# Altium PCB Notecarrier AF.PcbDoc (part 1 of 3) (continued)
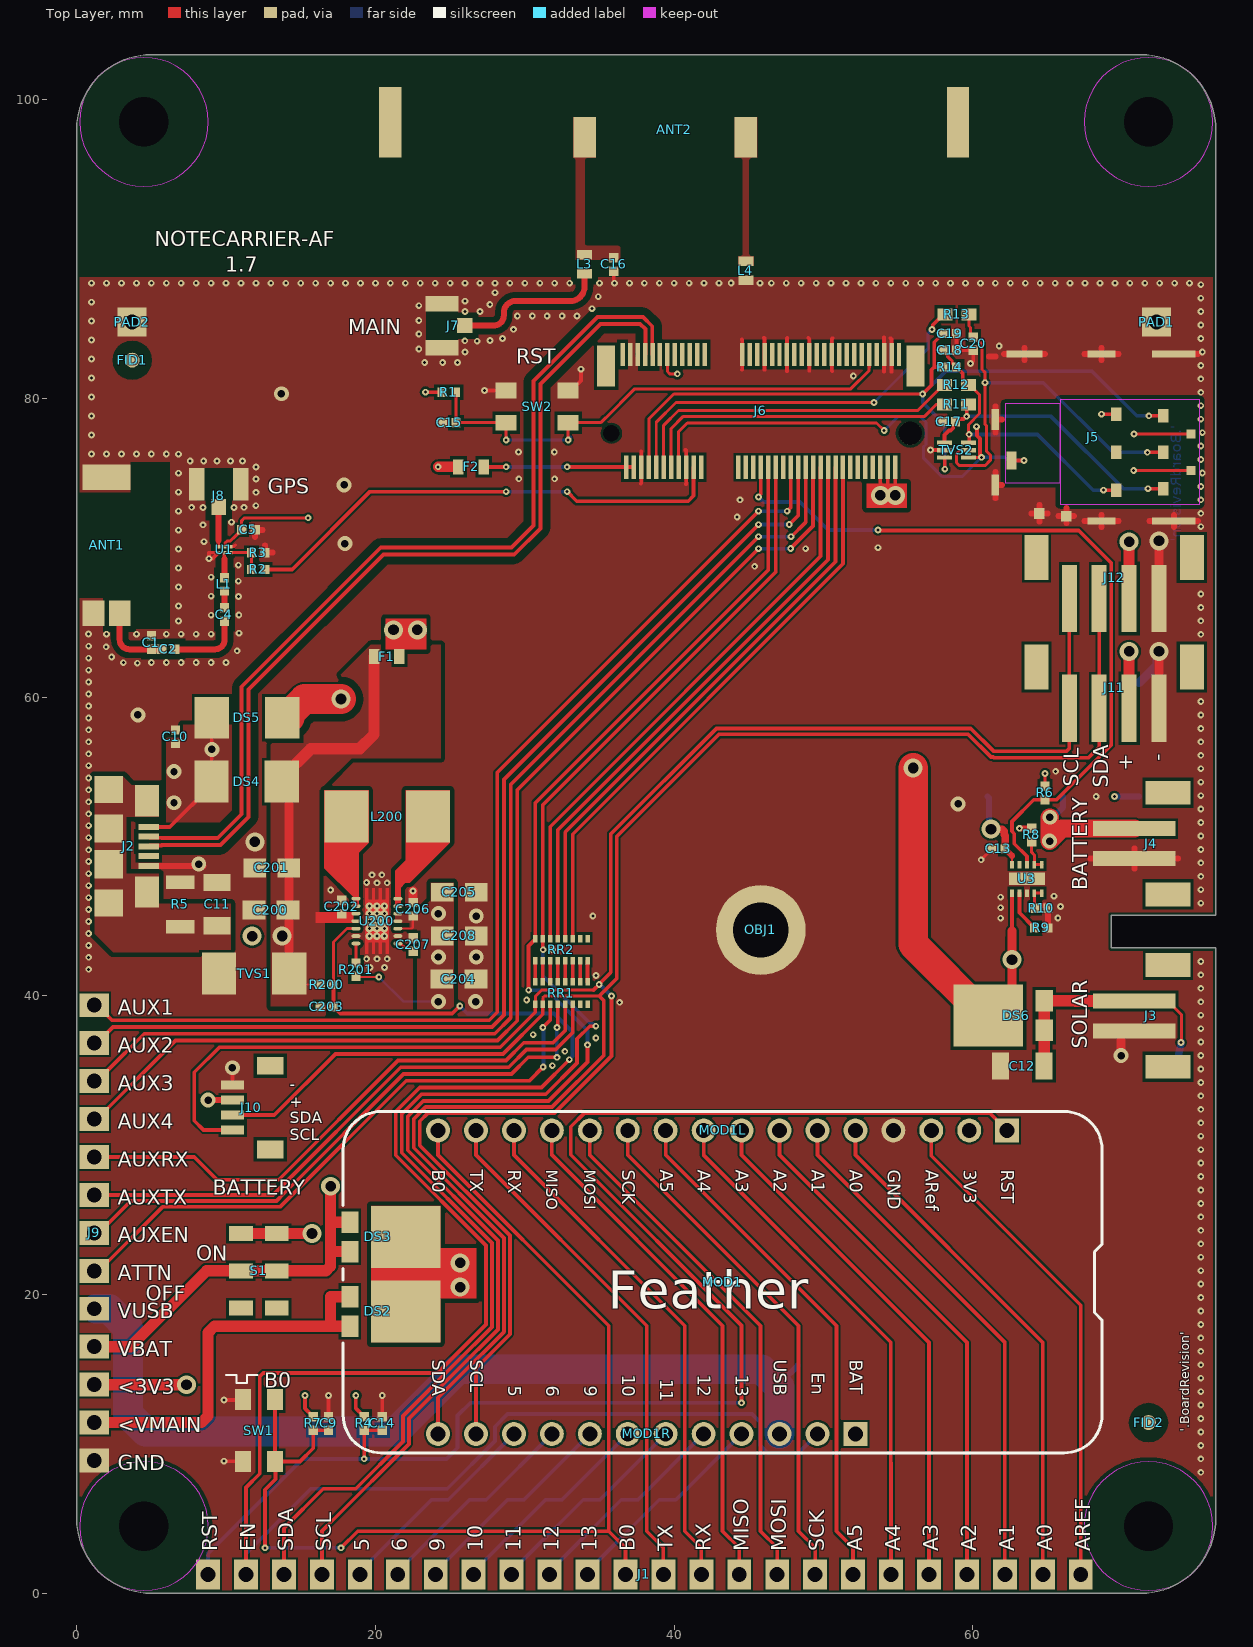
[diagram p0: Top Layer view]
## Components (designator, comment, footprint, x,y, rotation, side; value= is the part's Value field where it differs from the comment)
ANT1 "W3010" ANT-W3010 2,70.15 r270 top
ANT2 "W3796" ANT-W3796 40,99.3 r0 top
C1 "3.3p/50V-C0G" CS-C-0402 5.003,63.646 r90 top
C2 "1.5pF/50V-C0G 0402" CAPC1005X55X25NL05T10 6.13,63.196 r180 top
C4 "1n/50V" CS-C-0402 9.895,65.523 r270 top
C5 "1u/16V-X5R" CS-C-0402 11.5,71.195 r0 top
C9 "0.1uF" CS-C-0402 16.862,11.372 r90 top
C10 "0.1uF" CS-C-0402 6.612,57.346 r90 top
C11 "10n/1kV" CS-C-1206 9.398,46.144 r90 top
C12 "10u/25V-X5R" CS-C-1206 63.3,35.3 r180 top
C13 "1u/16V-X5R" CS-C-0402 61.706,49.834 r180 top
C14 "0.1uF" CS-C-0402 20.456,11.372 r90 top
C15 "0.1uF" CS-C-0402 24.95,78.363 r180 top
C16 "0.5p/50V-C0G" CS-C-0402 35.95,88.96 r270 top
C17 "33p/50V-C0G" CS-C-0402 58.388,78.434 r180 top
C18 "33p/50V-C0G" CS-C-0402 58.442,83.207 r0 top
C19 "0.1uF" CS-C-0402 58.442,84.327 r0 top
C20 "33p/50V-C0G" CS-C-0402 60.024,83.657 r270 top
C200 "10uF" 0805_C 14.151,45.734 r180 top
C201 "10uF" 0805_C 14.201,48.564 r180 top
C202 "0.1uF" CS-C-0402 17.75,45.95 r90 top
C203 "0.1uF" CS-C-0402 16.75,39.25 r180 top
C204 "22uF" 0805_C 24.441,41.109 r0 top
C205 "22uF" 0805_C 24.469,46.932 r0 top
C206 "0.1uF" CS-C-0402 22.527,45.792 r90 top
C207 "0.1uF" CS-C-0402 22.527,43.43 r90 top
C208 "22uF" 0805_C 24.47,44.006 r0 top
DS2 "FSV1045V" TO277-3 21.038,18.869 r270 top
DS3 "FSV1045V" TO277-3 21.038,23.859 r270 top
DS4 "STPS3H100U" SMB 11.374,54.336 r180 top
DS5 "STPS3H100U" SMB 11.401,58.616 r180 top
DS6 "FSV1045V" TO277-3 62.025,38.675 r90 top
F1 "3.5A/32V" FS-0603 20.759,62.702 r0 top
F2 "SF-0603F150-2" FS-0603 26.4,75.406 r0 top
FID1 "TPS" FIDUCIAL 3.715,82.55 r0 top
FID2 "TPS" FIDUCIAL 71.75,11.43 r0 top
J1 "12X1" "WE24S - 2.54" 38.005,1.27 r180 top
J2 "10118192-0002LF" J-5-0065-FOS-MICROUSB10118192 3.113,50 r270 top
J3 "B2B-PH-SM4-TBT(LF)(SN)" J-2-0200-MDS-B2B-PH-SM4 71.8,38.653 r270 top
J4 "B2B-PH-SM4-TBT(LF)(SN)" J-2-0200-MDS-B2B-PH-SM4 71.8,50.189 r270 top
J5 "NanoSIM - SF72S006VBAR2500" J-NANOSIM-SF72S006VBA 68.7,77.364 r90 top
J6 "MDT420E01001" J-75-0050-MOS-M2-E 45.798,79.156 r0 top
J7 "uFL-R-SMT-1-10" J-3-MDS-UFL 24.707,84.858 r90 top
J8 "uFL-R-SMT-1-10" J-3-MDS-UFL 9.51,73.997 r0 top
J9 "CON_13X1" "WE13S - 2.54" 1.175,24.13 r90 top
J10 "BM04B-SRSS-TB(LF)(SN)" JST_BM04B-SRSS-TB 11.762,32.516 r270 top
J11 "114020163" J-4-0200-MDS-GROVE 69.45,60.254 r180 top
J12 "114020163" J-4-0200-MDS-GROVE 69.45,67.597 r180 top
L1 "LQW15AN7N5H00D" LS-0402 9.895,67.543 r270 top
L3 "0603CS-4N3XJLW" LS-0603CS 34,88.96 r180 top
L4 "0603CS-6N8XJLU" LS-0603CS 44.8,88.54 r0 top
L200 "PA4341.152NLT" "PULSE PA4341.XXXNLT" 20.788,52 r0 top
MOD1 "Feather Module" FEATHER_COMMON_MOUNTING 68.64,32.258 r180 top
MOD1L "Socket 16-Pin, 0.100 inch (0.335 inch body)" SOCKET_LFB_16 62.29,30.988 r180 top
MOD1R "Socket 12-Pin, 0.100 inch (0.335 inch body)" SOCKET_LFB_12 52.13,10.668 r180 top
OBJ1 "9774025151R" DIST-WASMSIM0250 45.798,44.406 r270 top
PAD1 "TPS" PAD-THT-CAS-0100 72.295,85.09 r90 top
PAD2 "TPS" PAD-THT-CAS-0100 3.715,85.09 r90 top
R1 "DNM" RS-0402 24.907,80.406 r180 top
R2 "200k" RS-0402 12.161,68.54 r0 top
R3 "100k" RS-0402 12.161,69.66 r180 top
R4 "DNM" RS-0402 19.25,11.372 r90 top
R5 "1M" RS-1206 6.936,46.114 r90 top
R6 "NU" RS-0402 64.828,53.579 r90 top
R7 "DNM" RS-0402 15.842,11.372 r90 top
R8 "10k" RS-0402 63.929,50.765 r90 top
R9 "470R" RS-0402 64.576,44.544 r180 top
R10 "10k" RS-0402 64.577,45.864 r180 top
R11 "22R" RS-0603 58.892,79.59 r0 top
R12 "22R" RS-0603 58.892,80.89 r0 top
R13 "22R" RS-0603 58.928,85.614 r0 top
R14 "15k" RS-0402 58.442,82.087 r180 top
R200 "470K" RS-0402 16.75,40.75 r0 top
R201 "10M" RS-0402 18.7,41.75 r90 top
RR1 "100R/5%" RR-8X-1506 32.453,40.181 r0 top
RR2 "100R/5%" RR-8X-1506 32.453,43.083 r0 top
S1 "JS202011JCQN" CK_JS202011JCQN 12.192,21.59 r90 top
SW1 "PTS810 SJK 250 SMTR LFS" CK-PTS810-SJx 12.205,10.893 r90 top
SW2 "PTS810 SJK 250 SMTR LFS" CK-PTS810-SJx 30.825,79.438 r180 top
TVS1 "SM6T6V8A" SMB 11.874,41.486 r180 top
TVS2 "ESDLC5V0M5-TP" SOT666 58.892,76.534 r270 top
U1 "BGA725L6E6327FTSA1" XFDFN6 9.892,69.861 r0 top
U3 "BQ24210DQCT" WSON10-EXP 63.61,47.824 r90 top
U200 "TPS63021DSJR" FP-DSJ0014A-MFG 20.1,45 r90 top

## Footprints (in the part's own frame and the unit in brackets; to place one, negate y for a bottom-side part, rotate by r counter-clockwise, add the part's x,y. Pads: shape width x height; smd on the part's side, far side on the other; paste and mask are expansions set on the pad)
0805_C [mil]
  rect 60x50 smd: 1(0,0) 2(90,0)
ANT-W3010 [mm]
  rect 1.7x1.45 smd: 1(4.55,0.875) 2(4.55,-0.875)
  rect 1.7x3.2 smd: 3(-4.55,0)
  body extent -4.97,-1.58 5.03,1.57, height 2
ANT-W3796 [mm]
  rect 1.5x4.72 smd: 1(-19,-0.84) 4(19,-0.84)
  rect 1.5x2.72 smd: 2(-6,-1.84) 3(4.8,-1.84)
  body extent -20,-3.47 20,3.53, height 3
CAPC1005X55X25NL05T10 [mm] "Chip Capacitor, 2-Leads, Body 1.00x0.50mm, IPC Medium Density"
  rect 0.66x0.62 smd: 1(-0.44,0) 2(0.44,0)
  body extent -0.53,-0.28 0.53,0.27, height 0.55
CK-PTS810-SJx [mm] "PTS 810 Series, Microminiature SMT Top Actuated"
  rect 1.4x1.05 smd: 1(2.075,-1.075) 2(-2.075,-1.075) 3(2.075,1.075) 4(-2.075,1.075)
  body extent -2.29,-1.6 2.29,1.6, height 2.5
CK_JS202011JCQN [mm] "SWITCH SLIDE DPDT 300MA 6V"
  rect 1x1.6 smd: 1(-2.5,-1.2) 2(0,-1.2) 3(2.5,-1.2) 5(-2.5,1.2) 6(0,1.2) 7(2.5,1.2)
  body extent -4.5,-1.8 4.5,1.8, height 5.22
CS-C-0402 [mm]
  rect 0.62x0.62 smd: 1(-0.45,0) 2(0.45,0)
  body extent -0.5,-0.26 0.5,0.27, height 0.36
CS-C-1206 [mm]
  rect 1.15x1.8 smd: 1(-1.45,0) 2(1.45,0)
  body extent -1.6,-0.8 1.6,0.8, height 1.6
DIST-WASMSIM0250 [mm]
  round 6 / inner round 1.524 / far side round 6 hole 3.7: 1(0,0)
  body extent -2.55,-2.55 2.55,2.55, height 2.5
FEATHER_COMMON_MOUNTING [mil] "Long Feather (2.300 inch) Footprint"
  round 66 on Mech13: J1.1(250,50) J1.2(350,50) J1.3(450,50) J1.4(550,50) J1.5(650,50) J1.6(750,50) J1.7(850,50) J1.8(950,50) J1.9(1050,50) J1.10(1150,50) J1.11(1250,50) J1.12(1350,50) J1.13(1450,50) J1.14(1550,50) J1.15(1650,50) J1.16(1750,50) J3.1(650,850) J3.2(750,850) J3.3(850,850) J3.4(950,850) J3.5(1050,850) J3.6(1150,850) J3.7(1250,850) J3.8(1350,850) J3.9(1450,850) J3.10(1550,850) J3.11(1650,850) J3.12(1750,850)
  round 125.98 on Mech13: MH(100,800) MH(100,100)
  round 100 on Mech13: MH(1900,100) MH(1900,800)
  silkscreen extent 0,0 2000,900, body extent 0,0 2000,900, height 531
FIDUCIAL [mm]
  round 1 smd: 1(0,0)
  Top Layer pour cut-out: 1.311,0 1.267,0.339 1.136,0.656 0.927,0.927 0.656,1.136 0.339,1.267 0,1.311 -0.339,1.267 -0.656,1.136 -0.656,1.136 -0.927,0.927 -1.136,0.656 -1.267,0.339 -1.311,0 -1.267,-0.339 -1.136,-0.656 -0.927,-0.927 -0.656,-1.136 -0.656,-1.136 -0.339,-1.267 0,-1.311 0.339,-1.267 0.656,-1.136 0.927,-0.927 1.136,-0.656 1.267,-0.339 1.311,0
FP-DSJ0014A-MFG [mm]
  rrect100% 0.24x0.6 smd paste+0 mask+0: 1(-1.5,-1.4) 2(-1,-1.4) 3(-0.5,-1.4) 4(0,-1.4) 5(0.5,-1.4) 6(1,-1.4) 7(1.5,-1.4) 8(1.5,1.4) 9(1,1.4) 10(0.5,1.4) 11(0,1.4) 12(-0.5,1.4) 13(-1,1.4) 14(-1.5,1.4)
  round 1.422 smd paste-1000 mask+0: 15(0,0)
  Top Layer region: -2.2,0.79 2.2,0.79 2.2,0.59 1.425,0.59 1.425,0.33 2.2,0.33 2.2,0.13 1.425,0.13 1.425,-0.13 2.2,-0.13 2.2,-0.33 1.425,-0.33 1.425,-0.59 2.2,-0.59 2.2,-0.79 -2.2,-0.79 -2.2,-0.59 -1.425,-0.59 -1.425,-0.33 -2.2,-0.33 -2.2,-0.13 -1.425,-0.13 -1.425,0.13 -2.2,0.13 -2.2,0.33 -1.425,0.33 -1.425,0.59 -2.2,0.59
  body extent -2.3,-1.8 2.3,1.8, height 0.25
FS-0603 [mm]
  rect 0.7x1 smd: 1(-0.85,0) 2(0.85,0)
  body extent -0.8,-0.43 0.8,0.43, height 0.86
J-2-0200-MDS-B2B-PH-SM4 [mm]
  rect 1x5.5 smd: 1(-1,-1) 2(1,-1)
  rect 1.6x3 smd: ""(-3.4,1.25) ""(3.4,1.25)
  body extent -3.94,-3.16 4.01,3.84, height 9.23
J-3-MDS-UFL [mm]
  rect 1x1.05 smd: 1(0,-1.275)
  rect 1.05x2.2 smd: 2(-1.475,0.25) 3(1.475,0.25)
  Top Layer pour cut-out: -1.475,-0.85 1.475,-0.85 1.475,1.35 -1.475,1.35
  body extent -1.52,-1.3 1.49,9.79, height 2.48
J-4-0200-MDS-GROVE [mm]
  rect 1x4.5 smd: 1(3,1) 2(1,1) 3(-1,1) 4(-3,1)
  rect 1.6x3 smd: ""(-5.2,-1.75) ""(5.2,-1.75)
  body extent -6,-3.18 6,3.2, height 8
J-5-0065-FOS-MICROUSB10118192 [mm]
  rect 0.4x1.35 smd: 1(-1.3,1.713) 2(-0.65,1.713) 3(0,1.713) 4(0.65,1.713) 5(1.3,1.713)
  rect 2.1x1.6 smd: 6(-3.05,1.587) 7(3.05,1.588)
  rect 1.9x1.9 smd: 8(-1.2,-0.962) 9(1.2,-0.962)
  rect 1.8x1.9 smd: 10(-3.8,-0.962) 11(3.8,-0.962)
  body extent -5.77,-43.1 5.8,1.95, height 4.52
J-75-0050-MOS-M2-E [mm] "J-75-0050-MOS-M2-E"
  rect 0.3x1.55 smd: 1(-9.25,3.775) 2(-9,-3.775) 3(-8.75,3.775) 4(-8.5,-3.775) 5(-8.25,3.775) 6(-8,-3.775) 7(-7.75,3.775) 8(-7.5,-3.775) 9(-7.25,3.775) 10(-7,-3.775) 11(-6.75,3.775) 12(-6.5,-3.775) 13(-6.25,3.775) 14(-6,-3.775) 15(-5.75,3.775) 16(-5.5,-3.775) 17(-5.25,3.775) 18(-5,-3.775) 19(-4.75,3.775) 20(-4.5,-3.775) 21(-4.25,3.775) 22(-4,-3.775) 23(-3.75,3.775) 32(-1.5,-3.775) 33(-1.25,3.775) 34(-1,-3.775) 35(-0.75,3.775) 36(-0.5,-3.775) 37(-0.25,3.775) 38(0,-3.775) 39(0.25,3.775) 40(0.5,-3.775) 41(0.75,3.775) 42(1,-3.775) 43(1.25,3.775) 44(1.5,-3.775) 45(1.75,3.775) 46(2,-3.775) 47(2.25,3.775) 48(2.5,-3.775) 49(2.75,3.775) 50(3,-3.775) 51(3.25,3.775) 52(3.5,-3.775) 53(3.75,3.775) 54(4,-3.775) 55(4.25,3.775) 56(4.5,-3.775) 57(4.75,3.775) 58(5,-3.775) 59(5.25,3.775) 60(5.5,-3.775) 61(5.75,3.775) 62(6,-3.775) 63(6.25,3.775) 64(6.5,-3.775) 65(6.75,3.775) 66(7,-3.775) 67(7.25,3.775) 68(7.5,-3.775) 69(7.75,3.775) 70(8,-3.775) 71(8.25,3.775) 72(8.5,-3.775) 73(8.75,3.775) 74(9,-3.775) 75(9.25,3.775)
  rect 1.2x2.75 smd: ""(-10.35,3) ""(10.35,3)
  round 1 hole 1.1 unplated: ""(-10,-1.5)
  round 1.524 hole 1.6 unplated: ""(10,-1.5)
  body extent -10.95,-4.37 10.95,4.33, height 4.1
J-NANOSIM-SF72S006VBA [mm]
  rect 0.9x0.7 smd: 1(1.46,-4.05) 2(-0.98,-4.05) 3(-3.42,-4.05) 5(1.56,-0.88) 6(-0.98,-0.88) 7(-3.52,-0.88)
  rect 0.45x2.9 smd: 8(-5.575,-4.75) 17(5.6,-4.75)
  rect 0.45x1.9 smd: 9(-5.575,0.1) 16(5.6,0.1)
  rect 0.7x0.7 smd: 10(-5.25,2.45)
  rect 0.75x0.7 smd: 11(-5.075,4.25)
  rect 1.4x0.5 smd: 12(-3.18,7.2) 14(1.22,7.2)
  rect 1.2x0.65 smd: 13(-1.53,6.125)
  rect 0.45x2.4 smd: 15(5.6,5.25)
  rect 0.6x0.6 smd: 18(0.24,-5.9) 19(-2.2,-5.9)
  body extent -5.57,-7.43 5.64,7.62, height 1.25
JST_BM04B-SRSS-TB [mm] "BM04B-SRSS-TB"
  rect 0.6x1.55 smd: 1(-1.5,-1.325) 2(-0.5,-1.325) 3(0.5,-1.325) 4(1.5,-1.325)
  rect 1.2x1.8 smd: MT(-2.8,1.2) MT(2.8,1.2)
  body extent -3,-1.7 3,1.9, height 4.25
LS-0402 [mm]
  rect 0.62x0.62 smd: 1(-0.45,0) 2(0.45,0)
  body extent -0.5,-0.26 0.5,0.27, height 0.36
LS-0603CS [mm]
  rect 1.02x0.64 smd: 1(0,0.64) 2(0,-0.64)
  body extent -0.56,-0.9 0.56,0.9, height 1.02
PAD-THT-CAS-0100 [mm]
  rect 1.94x1.94 / inner rect 1.94x1.94 / far side rect 1.94x4 hole 1: 1(0,0)
  body extent -1.07,-2.1 1.07,2.1
"PULSE PA4341.XXXNLT" [mm] "Pulse Molded Power Inductor - 7.6 x 6.9 x 3.0 mm"
  rect 2.95x3.5 smd: 1(-2.725,0) 2(2.725,0)
  body extent -3.8,-3.45 3.8,3.45, height 3
RR-8X-1506 [mm]
  rect 0.3x0.5 smd: 1(-1.75,-0.75) 2(-1.25,-0.75) 3(-0.75,-0.75) 4(-0.25,-0.75) 5(0.25,-0.75) 6(0.75,-0.75) 7(1.25,-0.75) 8(1.75,-0.75) 9(1.75,0.75) 10(1.25,0.75) 11(0.75,0.75) 12(0.25,0.75) 13(-0.25,0.75) 14(-0.75,0.75) 15(-1.25,0.75) 16(-1.75,0.75)
  body extent -1.9,-0.8 1.9,0.8, height 0.45
RS-0402 [mm]
  rect 0.62x0.62 smd: 1(-0.45,0) 2(0.45,0)
  body extent -0.57,-0.27 0.58,0.28, height 0.41
RS-0603 [mm]
  rect 1x0.8 smd: 1(-0.8,0) 2(0.8,0)
  body extent -0.85,-0.4 0.85,0.4, height 0.57
RS-1206 [mm]
  rect 0.9x1.9 smd: 1(-1.5,0) 2(1.5,0)
  body extent -1.67,-0.86 1.68,0.87, height 0.85
SMB [mm] "SMB"
  rect 2.3x2.8 smd: 1(-2.35,0) 2(2.35,0)
  body extent -2.76,-1.97 2.82,1.98, height 2.65
SOCKET_LFB_12 [mm] "Socket 0.100\" pitch, type LFB, 12POS"
  rect 1.6x1.6 hole 1: 1(0,0)
  round 1.6 hole 1: 2(2.54,0) 3(5.08,0) 4(7.62,0) 5(10.16,0) 6(12.7,0) 7(15.24,0) 8(17.78,0) 9(20.32,0) 10(22.86,0) 11(25.4,0) 12(27.94,0)
  body extent -1.52,-1.27 29.46,1.27, height 8.5
SOCKET_LFB_16 [mm] "Socket 0.100\" pitch, type LFB, 16POS"
  rect 1.6x1.6 hole 1: 1(0,0)
  round 1.6 hole 1: 2(2.54,0) 3(5.08,0) 4(7.62,0) 5(10.16,0) 6(12.7,0) 7(15.24,0) 8(17.78,0) 9(20.32,0) 10(22.86,0) 11(25.4,0) 12(27.94,0) 13(30.48,0) 14(33.02,0) 15(35.56,0) 16(38.1,0)
  body extent -1.52,-1.27 39.62,1.27, height 8.5
SOT666 [mm]
  rect 0.3x0.99 smd: 1(-0.5,-0.805) 2(0,-0.805) 3(0.5,-0.805) 4(0.5,0.805) 5(0,0.805) 6(-0.5,0.805)
  body extent -0.79,-0.8 0.8,0.8, height 0.6
TO277-3 [mm] "TO277-3"
  rect 1.45x1.15 smd: 1(0.985,-2.75) 2(-0.985,-2.75)
  rect 4.15x4.65 smd paste-2.54: 3(0,1)
  body extent -2.31,-3.32 2.32,3.33, height 1.2
"WE13S - 2.54" [mm]
  rect 1.6x1.95 hole 1: 1(15.24,0) 2(12.7,0) 3(10.16,0) 4(7.62,0) 5(5.08,0) 6(2.54,0) 7(0,0) 8(-2.54,0) 9(-5.08,0) 10(-7.62,0) 11(-10.16,0) 12(-12.7,0) 13(-15.24,0)
"WE24S - 2.54" [mm]
  rect 1.6x2 hole 1: 1(29.21,0) 2(26.67,0) 3(24.13,0) 4(21.59,0) 5(19.05,0) 6(16.51,0) 7(13.97,0) 8(11.43,0) 9(8.89,0) 10(6.35,0) 11(3.81,0) 12(1.27,0) 13(-1.27,0) 14(-3.81,0) 15(-6.35,0) 16(-8.89,0) 17(-11.43,0) 18(-13.97,0) 19(-16.51,0) 20(-19.05,0) 21(-21.59,0) 22(-24.13,0) 23(-26.67,0) 24(-29.21,0)
WSON10-EXP [mm]
  rect 0.5x0.25 smd: 1(-0.95,1) 2(-0.95,0.5) 3(-0.95,0) 4(-0.95,-0.5) 5(-0.95,-1) 6(0.95,-1) 7(0.95,-0.5) 8(0.95,0) 9(0.95,0.5) 10(0.95,1)
  rect 0.84x2.4 smd: 11(0,0)
  body extent -1,-1.5 1,1.5, height 0.8
XFDFN6 [mm]
  rect 0.25x0.25 smd: 1(0.4,0.2) 2(0,0.2) 3(-0.4,0.2) 4(-0.4,-0.2) 5(0,-0.2) 6(0.4,-0.2)
  body extent -0.55,-0.35 0.55,0.35, height 0.38

## Part data
ANT1: library part "ANT - W3010 - GPS-GLONASS", "ANTENNA CHIP 1.575GHZ D=3.2X10X2 W3010 PULSE SMT", Temp Range=-40°..+85°, Caratteristiche="1.575GHz - GPS/GLONASS", Database=43082, Distributor=FAE, Famiglia=INDUTTORE, Modello="ANTENNA GPS", MPN=W3010, PCB Footprint=ANT-W3010, Pkg Type=SMD, Price Distributor Cad=0,53
ANT2: library part "ANT - W3796 - LTE", "ANTENNA CHIP LTE D=40X7X3 W3796 PULSE SMT", Temp Range=-40°..+85°, Caratteristiche=LTE, Database=43080, Distributor=FAE, Famiglia=INDUTTORE, Modello="ANTENNA LTE", Note="698MHz-960MHz - 1.427GHz-1.66GHz - 1.695GHz-2.2GHz - 2.3GHz-2.7GHz", PCB Footprint=ANT-W3796, Pkg Type=SMD, Price Distributor Cad=2,1647
C1: library part CS-C-0402-3.3p/50V-C0G, "CHIP CAP.CER. 3.3pF 50V 5% C0G 0402", Temp Range=-55°..+125°, Caratteristiche=C0G, Database=30030, Distributor=FAE, Famiglia=CONDENSATORE, Modello=CERAMICO, PCB Footprint=CS-C-0402, Pkg Type=SMD, Price Distributor Cad=0,0013
C2: library part CMP-2008-03820-1, Manufacturer=Murata, Part Number=GJM1555C1H1R5BB01D
C4: library part CS-C-0402-1n/50V, "CHIP CAP.CER. 1nF 50V 10% X7R 0402", Caratteristiche=X7R, Database=33357, Distributor=FAE, Famiglia=CONDENSATORE, Modello=CERAMICO, PCB Footprint=CS-C-0402, Pkg Type=SMD, Price Distributor Cad=0,0069
C5 C13: library part CS-C-0402-1u/16-X5R, "CHIP CAP.CER. 1uF 16V 10% X5R 0402", Caratteristiche=X5R, Database=37485, Distributor=FAE, Famiglia=CONDENSATORE, Modello=CERAMICO, PCB Footprint=CS-C-0402, Pkg Type=SMD, Price Distributor Cad=0,0253
C9 C14 C202 C203 C206 C207: library part CAP, "CHIP CAP.CER. 100nF 16V 10% X7R 0402", MFR=Yageo, D="Multilayer Ceramic Capacitors MLCC - SMD/SMT 0.1 uF 16V 10% Ceramic Capacitor", PN=CC0402KPX5R7BB104
C10 C15 C19: library part CS-C-0402-100n/16V, "CHIP CAP.CER. 100nF 16V 10% X7R 0402", MFR=Yageo, Caratteristiche=X7R, D="Multilayer Ceramic Capacitors MLCC - SMD/SMT 0.1 uF 16V 10% Ceramic Capacitor", Database=22452, Distributor=FAE, Famiglia=CONDENSATORE, Modello=CERAMICO, PCB Footprint=CS-C-0402, Pkg Type=SMD, PN=CC0402KPX5R7BB104, Price Distributor Cad=0,0021
C11: library part CS-C-1206-10n/1kV, "CHIP CAP.CER. 10nF 1000V 10% X7R 1206", Caratteristiche=X7R, Database=28470, Distributor=FAE, Famiglia=CONDENSATORE, Modello=CERAMICO, PCB Footprint=CS-C-1206, Pkg Type=SMD, Price Distributor Cad=0,035
C12: library part CS-C-1206-10u/25V-X5R, "CHIP CAP.CER. 10uF 25V X5R 10% 1206", Caratteristiche=X5R, Database=21513, Distributor=FAE, Famiglia=CONDENSATORE, Modello=CERAMICO, PCB Footprint=CS-C-1206, Pkg Type=SMD, Price Distributor Cad=0,0195
C16: library part CS-C-0402-0.5p/50V-C0G, "CHIP CAP.CER. 0.5pF 50V ±0.25 C0G 0402 GRM1555C1HR50CA01D MURATA", Temp Range=-55°..+125°, Caratteristiche=C0G, Distributor=D-490-5959-1-ND, Famiglia=CONDENSATORE, Modello=CERAMICO, PCB Footprint=CS-C-0402, Pkg Type=SMD, Price Distributor Cad=0,08
C17 C18 C20: library part CS-C-0402-33p/50V-C0G, "CHIP CAP.CER. 33pF 50V 5% C0G 0402", Caratteristiche=C0G, Database=43360, Distributor=FAE, Famiglia=CONDENSATORE, Modello=CERAMICO, PCB Footprint=CS-C-0402, Pkg Type=SMD, Price Distributor Cad=0,005
C200 C201: library part CAP, "CHIP CAP.CER. 10uF 16V 10% X7R 0805", MFR=TDK, D="Multilayer Ceramic Capacitors MLCC - SMD/SMT 0805 16V 10uF JB 10% T: 0.85mm", PN=C2012JB1C106K085AC
C204 C205 C208: library part CAP, "CHIP CAP.CER. 22uF 16V 10% X7R 0805", MFR=TDK, D="Multilayer Ceramic Capacitors MLCC - SMD/SMT 0805 16V 22uF JB 10% T: 0.85mm", PN=C2012JB1C226K085AC
DS2 DS3 DS6: library part "SCHOTTKY - FSV1045V - 10A/45V", "DIODO SCHOTTKY 10A 45V FSV1045V TO277-3 SMT", Temp Range=-55°..+150°, Caratteristiche=10A/45V, Database=42269, Distributor=FAE, Famiglia=DIODO, Modello=SCHOTTKY, MPN=FSV1045V, PCB Footprint=TO277-3, Pkg Type=SMD, Price Distributor Cad=0,629
DS4 DS5: library part "SCHOTTKY-STPS3H100U - 3A/100V", "DIODO SCHOTTKY 3A 100V STPS3H100U SMB SMT", Caratteristiche=3A/100V, Database=40665, Distributor=FAE, Famiglia=DIODO, Modello=SCHOTTKY, MPN=STPS3H100U, PCB Footprint=SMB, Pkg Type=SMD, Price Distributor Cad=0,336
  DS4: ROOM=USB
  DS5: ROOM="SOLAR BATTERY CHARGER"
F1: library part "RAPIDO - 0603SFV350F- 3.5A/32V", "FUSIBILE RAPIDO 3.5A 32V 0603 0603SFV350F/32-2 LITTELFUSE SMT", MPN=0603SFV350F/32-2, Temp Range=-55°..+125°, Caratteristiche=3.5A/32V, Database=40054, Distributor=FAE, Famiglia=FUSIBILE, Modello=RAPIDO, PCB Footprint=FS-0603, Pkg Type=SMD, Price Distributor Cad=0,4034
F2: library part "RAPIDO - SF-0603F150-2-1.5A/32V", "FUSIBILE RAPIDO 1.5A 32V 0603 SF-0603F150-2 BOURNS SMT", Temp Range=-40°..+105°, Caratteristiche=1.5A/32V, Database=32505, Distributor=FAE, Famiglia=FUSIBILE, Modello=RAPIDO, MPN=SF-0603F150-2, PCB Footprint=FS-0603, Pkg Type=SMD, Price Distributor Cad=0,1669
FID1 FID2: library part FIDUCIAL, "FIDUCIAL", Distributor=FAE, PCB Footprint=FIDUCIAL, Pkg Type=SMD
J1: library part SIDECON, PN=DNM
J2: library part "USB - uUSB-B-10118192-0002LF", "CONN. USB F/90° TIPO MICRO-B C.S. 10118192-0002LF FCI SMT", Temp Range=-30°..+80°, Distributor=D-609-5379-1-ND, Famiglia=CONNETTORE, Modello=MICROUSB, MPN=10118192-0002LF, Note="Full SMD, no FLANGE", PCB Footprint=J-5-0065-FOS-USB10118192-NOF, Pkg Type=SMD, Price Distributor Cad=0,42
J3 J4: library part "PH - J-2-0200-MDS-B2B-PH-SM4", "CONN. PH 2P M/D P=2 B2B-PH-SM4-TBT(LF)(SN) JST SMT", Temp Range=-25°..+85°, Caratteristiche=2P, Database=36983, Distributor=FAE, Famiglia=CONNETTORE, Modello=PH, MPN=B2B-PH-SM4-TBT(LF)(SN), Note="100V - 2A - AWG32 to AWG24", PCB Footprint=J-2-0200-MDS-B2B-PH-SM4, Pkg Type=SMD, Price Distributor Cad=0,347
J5: library part "NANOSIM - J-NANOSIM-SF72S006VBA", "CONN. NANOSIM 8P F/90° PUSH-PUSH SF72S006VBAR2500 JAE ELECTRONICS SMT", Temp Range=-25°..+85°, Database=41049, Distributor=FAE, Famiglia=CONNETTORE, Modello=NanoSIM, PCB Footprint=J-NANOSIM-SF72S006VBA, Pkg Type=SMD, Price Distributor Cad=0,7362, ROOM=NANO-SIM
J6: library part "AMPHENOL-75 - M-2 KEY E_13", "CONN. M.2 75P M/90° P=0.5 MDT420E01001 AMPHENOL SMT", Temp Range=-40°..+80°, Caratteristiche=75P, Distributor=D-MDT420E01001CT-ND, Famiglia=CONNETTORE, PCB Footprint=J-75-0050-MOS-M2-E, Pkg Type=SMD, Price Distributor Cad=1,21, ROOM="M2 CONNECTOR"
J7 J8: library part "UFL - U-FL-R-SMT-1-10", "CONN. RF M U.FL-R-SMT-1(10) HIROSE SMT", Temp Range=-40°..+90°, Caratteristiche=RF, Database=28096, Distributor=FAE, Famiglia=CONNETTORE, Modello=UFL, Note=50ohm, PCB Footprint=J-3-MDS-UFL, Pkg Type=SMD, Price Distributor Cad=0,115
J10: library part JST_BM04B-SRSS-TB, "Wire-to-board, 1mm, SMT Vert, 4POS", Color=Natural, Contact Resistance=40mR, Current Rating=1A, Flammability Rating="UL94 V-0", Housing Color=Beige, Insulation Resistance=100MR, Manufacturer=JST, Max Operating Temperature=85°C, Max Voltage Rating (AC)=50V, Min Operating Temperature=-25°C, Supplier Part Number 1="BM04B-SRSS-TB (LF)(SN)", Category=Connectors, ComponentLink1Description=https://datasheet.ciiva.com/26894/getdatasheetpartid-690899-26894827.pdf?src-supplier=Verical, ComponentLink1URL=https://datasheet.ciiva.com/26894/getdatasheetpartid-690899-26894827.pdf?src-supplier=Verical, ComponentLink2Description=https://datasheet.ciiva.com/26924/getdatasheetpartid-708793-26924043.pdf?src-supplier=Verical, ComponentLink2URL=https://datasheet.ciiva.com/26924/getdatasheetpartid-708793-26924043.pdf?src-supplier=Verical, ComponentLink3Description=https://datasheet.ciiva.com/16211/esr-16211085.pdf?src-supplier=Future+Electronics, ComponentLink3URL=https://datasheet.ciiva.com/16211/esr-16211085.pdf?src-supplier=Future+Electronics, Connector Type="Male Pin", Contact Material="Copper Alloy", Contact Plating=Tin,Lead,Copper, Depth=2.9mm, Description 1="CONN HEADER SMD 4POS 1MM", Gender=Male, Housing Material=Polyamide, Lead Free="Lead Free", Lead Pitch=1mm, Length=6mm, Manufacturer Part Number=BM04B-SRSS-TB(LF)(SN), Material=Polyamide, Max Current Rating=1A, Max Voltage Rating (DC)=50V, Mount="Surface Mount", Number of Contacts=4, Number of Positions=4, Number of Rows=1, Orientation=Straight, Packaging="Tape and Reel", Pitch=0.039inch, Pricing 1="1500=0.26810, 3000=0.26180, 7500=0.24150, 10500=0.23900, 15000=0.23660, 37500=0.23430, 1=0.52950, 10=0.50420, 25=0.48970, 100=0.38840, 250=0.37700, 500=0.33940, 1000=0.32530 (USD)", REACH SVHC="No SVHC", RoHS=Yes, Stock 1=15000, Supplier 1="Arrow Electronics", Termination=Solder, Voltage Rating (AC)=50V
J11 J12: library part "GROVE - J-4-0200-MDS-GROVE", "CONN. GROVE 4P M/D P=2 114020163 SEEDSTUDIO SMT", Caratteristiche=4P, Distributor=D-1597-114020163-ND, Famiglia=CONNETTORE, Modello=GROVE, MPN=114020163, PCB Footprint=J-4-0200-MDS-GROVE, Pkg Type=SMD, Price Distributor Cad=0,1345
L1: library part "L - LQW15AN7N5H00D - 7.5n/0.57A", "INDUTTANZA 7.5nH 0.57A 3% A FILO 0402 LQW15AN7N5H00D MURATA SMT", Temp Range=-55°..+125°, Caratteristiche=570mA, Database=43079, Distributor=FAE, Famiglia=INDUTTORE, Modello=INDUTTANZA, Note="Non Schermato - 6GHz", PCB Footprint=LS-0402, Pkg Type=SMD, Price Distributor Cad=0,1005
L3: library part "L - 0603CS-4N3XJLW-4.3n/0.7A", "INDUTTANZA 4.3nH 0.7A 5% 0603 0603CS-4N3XJLW COILCRAFT SMT", Temp Range=-40°..+125°, Caratteristiche=700mA, Distributor=M-994-0603CS-4N3XJLW, Famiglia=INDUTTORE, Modello="INDUTTANZA RF", MPN=0603CS-4N3XJLW, Note=5.9GHz, PCB Footprint=LS-0603CS, Pkg Type=SMD, Price Distributor Cad=0,766
L4: library part "L - 0603CS-6N8XJLU-6.8n/0.7A", "INDUTTANZA 6.8nH 0.7A 5% 0603 0603CS-6N8XJLU COILCRAFT SMT", Temp Range=-40°..+125°, Caratteristiche=700mA, Database=43078, Distributor=FAE, Famiglia=INDUTTORE, Modello="INDUTTANZA RF", Note=5.9GHz, PCB Footprint=LS-0603CS, Pkg Type=SMD, Price Distributor Cad=0,54
L200: "1.5uH, 9A SMD, (7.6 x 6.9 mm, 3.0 mm highi) 15 mOhm", Current Rating="9 A", DC Resistance="15 mOhm", Inductance="1.5 uH", Manufacturer=Pulse, Supplier Part Number 1=553-3403-1-ND, Category="Fixed Inductors", ComponentLink1Description=http://productfinder.pulseeng.com/products/datasheets/P768.pdf?src-supplier=Digi-Key, ComponentLink1URL=http://productfinder.pulseeng.com/products/datasheets/P768.pdf?src-supplier=Digi-Key, Description 1="FIXED IND 1.5UH 9A 15 MOHM SMD", Dimension="7.60 mm x 6.90 mm", Height="3.00 mm", Manufacturer Part Number=PA4341.152NLT, Pricing 1="1=1.04000, 10=0.96500, 25=0.89040, 50=0.74200, 100=0.69750, 250=0.62328, 500=0.53424 (USD)", RoHS=No, Stock 1=3652, Supplier 1=Digi-Key
MOD1: library part FEATHER_COMMON_MOUNTING, "Socket Footprint for Typical Adafruit Feather Module, SMT socket type"
MOD1L: library part SOCKET_LFB_16, "Socket 16-Pin, 0.100 in", Function 1="Function 1", Function 2="Function 2"
MOD1R: library part SOCKET_LFB_12, "Socket 12-Pin, 0.100 in", Function 1="Function 1", Function 2="Function 2"
OBJ1: library part "DISTANZIALE - M2.5x0250", "DISTANZ. CIL. METALLO 5.1X2.5 9774025151R W.E SMT", Supplier Part Number 1=732-7078-1-ND, Caratteristiche=M2.5, Database=44635, Distributor=FAE, Famiglia=MECCANICA, Modello=DISTANZIALE, PCB Footprint=DIST-WASMSIM0250, Pkg Type=SMD, Price Distributor Cad=0,6225, Supplier 1=Digi-Key
PAD1 PAD2: library part "CASTELLATED PAD - 0100", "Mounting Pads", Distributor=FAE, PCB Footprint=PAD-THT-CAS-0100, Pkg Type=THT
R1: library part RS-0402-1k, "CHIP RES. 1K 0402 1/16W 1%", Temp Range=-55°..+155°, Caratteristiche=1%, Database=25126, Distributor=FAE, Famiglia=RESISTENZA, Modello=FISSO, PCB Footprint=RS-0402, Pkg Type=SMD, Price Distributor Cad=0,0005
R2: library part RS-0402-200k, "CHIP RES. 200K 0402 1/16W 1%", Caratteristiche=1%, Database=27068, Distributor=FAE, Famiglia=RESISTENZA, Modello=FISSO, PCB Footprint=RS-0402, Pkg Type=SMD, Price Distributor Cad=0,0006
R3: library part RS-0402-100k, "CHIP RES. 100K 0402 1/16W 1%", Caratteristiche=1%, Database=25127, Distributor=FAE, Famiglia=RESISTENZA, Modello=FISSO, PCB Footprint=RS-0402, Pkg Type=SMD, Price Distributor Cad=0,0004
R4 R7: library part R1_S, "SMD Resistors", PN=DNM
R5: library part RS-1206-1M, "CHIP RES. 1M 1206 1/4W 1%", Caratteristiche=1%, Database=39104, Distributor=FAE, Famiglia=RESISTENZA, Modello=FISSO, PCB Footprint=RS-1206, Pkg Type=SMD, Price Distributor Cad=0,0011, ROOM=USB
R6 R8 R10: library part RS-0402-10k, "CHIP RES. 10K 0402 1/16W 1%", Temp Range=-55°..+125°, Caratteristiche=1%, Database=25129, Distributor=FAE, Famiglia=RESISTENZA, Modello=FISSO, PCB Footprint=RS-0402, Pkg Type=SMD, Price Distributor Cad=0,0007
R9: library part RS-0402-470r, "CHIP RES. 470R 0402 1/16W 1%", Caratteristiche=1%, Database=25128, Distributor=FAE, Famiglia=RESISTENZA, Modello=FISSO, PCB Footprint=RS-0402, Pkg Type=SMD, Price Distributor Cad=0,0006
R11 R12 R13: library part RS-0603-22r, "CHIP RES. 22R 0603 1/16W 1%", Caratteristiche=1%, Database=20385, Distributor=FAE, Famiglia=RESISTENZA, Modello=FISSO, PCB Footprint=RS-0603, Pkg Type=SMD, Price Distributor Cad=0,0005
R14: library part RS-0402-15k, "CHIP RES. 15K 0402 1/16W 1%", Temp Range=-55°..+155°, Caratteristiche=1%, Database=40387, Distributor=FAE, Famiglia=RESISTENZA, Modello=FISSO, PCB Footprint=RS-0402, Pkg Type=SMD, Price Distributor Cad=0,0004
R200: library part R1_S, "CHIP RES. 470K 0402 1/16W 1%", MFR="Vishay / Dale", Supplier Part Number 1=541-470KLCT-ND, D="Thick Film Resistors 1/16watt 470Kohms 1% Commercial Use", PN=CRCW0402470KFKEDC, Supplier 1=Digi-Key
R201: library part R1_S, "CHIP RES. 10M 0402 1/16W 1%", MFR="Vishay / Dale", D="Thick Film Resistors 1/16watt 10Mohms 1% Commercial Use", PN=CRCW040210M0FKEDC
RR1 RR2: library part RR-8X-1506-100r/5%, "RETE RESISTIVA 8R sing. 100R 5% 1506 CONVEX CAY16-101J8LF BOURNS SMT", Temp Range=-55°..+125°, Caratteristiche=8X, Database=40062, Distributor=FAE, Famiglia=RESISTENZA, Modello=RETE, Note=200ppm, PCB Footprint=RR-8X-1506, Pkg Type=SMD, Price Distributor Cad=0,0361
S1: library part CK_JS202011JCQN, "SWITCH SLIDE DPDT 300MA 6V, SMD, J-lead", Contact Current Rating=300mA, Contact Resistance=70mR, Flammability Rating="UL94 V-2", Manufacturer="ITT C&K", Max Operating Temperature=85°C, Max Voltage Rating (DC)=6V, Min Operating Temperature=-20°C, Package Quantity=1, Supplier Part Number 1=401-2002-1-ND, Actuator Length=2mm, Actuator Material=Nylon,Polyamide, Actuator Type=Standard, Category="Slide Switches", ComponentLink1Description=https://datasheet.ciiva.com/23829/1707718-23829488.pdf?src-supplier=Newark, ComponentLink1URL=https://datasheet.ciiva.com/23829/1707718-23829488.pdf?src-supplier=Newark, ComponentLink2Description=https://datasheet.ciiva.com/2889/js-29aug13-2889127.pdf?src-supplier=Digi-Key, ComponentLink2URL=https://datasheet.ciiva.com/2889/js-29aug13-2889127.pdf?src-supplier=Digi-Key, ComponentLink3Description=https://datasheet.ciiva.com/2889/js-15sept15-2889128.pdf?src-supplier=Digi-Key, ComponentLink3URL=https://datasheet.ciiva.com/2889/js-15sept15-2889128.pdf?src-supplier=Digi-Key, ComponentLink4Description=https://datasheet.ciiva.com/2889/js-15sept15-2889129.pdf?src-supplier=Digi-Key, ComponentLink4URL=https://datasheet.ciiva.com/2889/js-15sept15-2889129.pdf?src-supplier=Digi-Key, ComponentLink5Description=https://datasheet.ciiva.com/22630/1707718-22630697.pdf?src-supplier=Element14, ComponentLink5URL=https://datasheet.ciiva.com/22630/1707718-22630697.pdf?src-supplier=Element14, ComponentLink6Description=https://datasheet.ciiva.com/8625/js-9dec14-8625470.pdf?src-supplier=Avnet, ComponentLink6URL=https://datasheet.ciiva.com/8625/js-9dec14-8625470.pdf?src-supplier=Avnet, Contact Material="Copper Alloy", Contact Plating=Silver, Current Rating=300mA, Depth=7.5mm, Electrical Life=5000Cycles, Housing Material=Nylon, Lead Free="Lead Free", Length=9mm, Manufacturer Part Number=JS202011JCQN, Max Current Rating=300mA, Mount="Surface Mount", Orientation=Vertical, Packaging="Tape and Reel", Pricing 1="1=0.48000, 10=0.46300, 25=0.45320, 50=0.40500, 100=0.38580, 250=0.37612, 500=0.31826 (USD)", Radiation Hardening=No, REACH SVHC="No SVHC", RoHS=Yes, Stock 1=50096, Supplier 1=Digi-Key, Switch Function=On-On, Switch Travel=2mm, Termination="Gull Wing", Throw Configuration=DPDT, Voltage Rating (DC)=6V
SW1 SW2: library part "CK_PTS810 SJK 250 SMTR LFS", "SWITCH TACTILE SPST-NO 0.05A 12V 4.2 mm x 3.2 mm", Contact Rating @ Voltage="0.05A @ 16VDC", Illumination Type, Color=-, Manufacturer=C&K, Operating Force=260gf, Operating Temperature="-40°C ~ 85°C", Supplier Part Number 1=CKN10503CT-ND, Actuator Height off PCB, Vertical=2.50mm, Actuator Length, Right Angle=-, Actuator Material=-, Actuator Orientation="Top Actuated", Actuator Type=Standard, Category=Switches, Circuit=SPST-NO, ComponentLink1Description=https://www.ckswitches.com/media/1476/pts810.pdf, ComponentLink1URL=https://www.ckswitches.com/media/1476/pts810.pdf, Features=-, Illumination=Non-Illuminated, Illumination Voltage (Nominal)=-, Ingress Protection=-, Manufacturer Part Number="PTS810 SJK 250 SMTR LFS", Mechanical Life="50,000 Cycles", Mounting Type="Surface Mount", Outline="4.20mm x 3.20mm", Packaging="Cut Tape (CT)", Part Status=Active, Pricing 1="1=0.3, 10=0.287, 25=0.2768, 50=0.267, 100=0.2521, 250=0.23728, 500=0.2274, 1000=0.17302 (USD)", RoHS="RoHS Compliant", Stock 1=130094, Supplier 1=Digi-Key, Switch Function=Off-Mom, Switch Travel=0.15mm, Termination Style="J Lead"
TVS1: library part "TVS-UNI - SM6T6V8A - 6.8V/600W", "DIODO TVS TRANSIL UNIDIR. 600W 6.8V SM6T6V8A SMB SMT", Caratteristiche=57A/6.8V/600W, Database=14165, Distributor=FAE, Famiglia=PROTEZIONE, Modello=TVS, Note=Unidirezionale, PCB Footprint=SMB, Pkg Type=SMD, Price Distributor Cad=0,0348, ROOM=INPUT
TVS2: library part "TVS-UNI5x - ESDLC5V0M5-TP - 5V", "DIODO TVS TRANSIL UNIDIR. 20W 5V ESDLC5V0M5-TP SOT563 SMT", Temp Range=-65°..+150°, Caratteristiche=1.6A/5V/20W, Database=44643, Distributor=FAE, Famiglia=PROTEZIONE, Modello=TVS, Note="Cmax=10pF - SIM", PCB Footprint=SOT666, Pkg Type=SMD, Price Distributor Cad=0,37
U1: library part "LNA-RF - BGA725L6E6327FTSA1", "INTEGRATO BGA725L6E6327FTSA1 INFINEON TSLP-6 SMT", Temp Range=-40°..+125°, Caratteristiche=RF, Consumo="Consumo 3V3: 3.6mA", Database=43081, Distributor=FAE, Famiglia=INTEGRATO, Modello=LNA, Note="VCC=1.5V - 3.6V", PCB Footprint=XFDFN6, Pkg Type=SMD, Price Distributor Cad=0,2054, ROOM="GPS ANTENNA"
U3: library part "BAT-CHARGE - BQ24210DQCT", "INTEGRATO BQ24210DQCT TEXAS WSON10 SMT", Temp Range=-40°..+85°, Caratteristiche=LITIO, Distributor=D-296-28738-1-ND, Famiglia=INTEGRATO, Modello=CARICABATTERIA, MPN=BQ24210DQCT, Note="Vin=20V - Ichg=800mA", PCB Footprint=WSON10-EXP, Pkg Type=SMD, Price Distributor Cad=2,72, ROOM="SOLAR BATTERY CHARGER"
U200: library part CMP-04918-000102-1, "IC REG BCK BST 3.3V 3.5A 14VSON", Ambient Temperature Range High=+85°C, Ambient Temperature Range Low=-40°C, Manufacturer="Texas Instruments", Max Junction Temp=+125°C, Max Supply Voltage=5.5V, Min Supply Voltage=1.8V, Nominal Supply Current=25uA, Output Current=2A, Output Voltage=1.2-5.5V, Package=DSJ0014A, Switching Frequency=2400kHz, Temperature="-40°C to +85°C", Automotive=No, Category=IC, ComponentLink2Description=Datasheet, ComponentLink2URL=http://www.ti.com/lit/ds/symlink/tps63021.pdf, Device Class L1="Integrated Circuits (ICs)", Device Class L2="Power Management ICs", Device Class L3="Voltage Regulators - Switching", Digikey Description="IC REG BCK BST 3.3V 3.5A 14VSON", Height=1mm, Lead Free=Yes, Manufacturer Part Number=TPS63021DSJR, Max Duty Cycle=100%, Mouser Description="Conv DC-DC 1.8V to 5.5V Non-Inv/Inv/Step Up/Step Down Single-Out 3.3V 3A 14-Pin VSON EP T/R", Number of Outputs=1, Octopart=https://octopart.com/tps63021dsjr-texas+instruments-17659431, Output Type=AdjustableProgrammable, RoHS=TRUE, Standoff Height=0mm, Switching Topology=Buck-Boost, Temperature Range High=+85°C, Temperature Range Low=-40°C
J9: PN=DNM

## Free pads (board coordinates)
  round 1 smd far side: 1(48.26,15.24) 1(55.88,53.34) 1(60.96,53.34) 1(66.04,53.34) 1(71.12,53.34) 1(71.12,60.96) 1(73.66,35.56)
  round 1 hole 3.3 unplated: MH(4.5,4.5) MH(4.5,98.5) MH(71.75,4.5) MH(71.75,98.5)

## Via types
v1: diameter 0.45, hole 0.2, Top Layer to Bottom Layer, 381 vias
v2: diameter 1.27, hole 0.711, Top Layer to Bottom Layer, 20 vias
v3: diameter 1, hole 0.5, Top Layer to Bottom Layer, 20 vias
v4: diameter 0.5, hole 0.2, Top Layer to Bottom Layer, 15 vias

## Nets (pads, with @x,y where several pads share a name; then routed paths per layer and width w, separated by ;. In a path a pad name is that pad's centre, name@x,y a point inside that pad or via, vN(x,y) a via of type N, cw(c..) or ccw(c..) an arc to the next point about the centre after c; other vN are vias at no path point)
+3V3: C5.1 C204.1 C205.1 C206.1 C208.1 F2.1 J9.11 J10.2 J11.3 J12.3 MOD1R.1 pad.1@71.12,53.34 R1.2 R4.2 R6.2 R7.2 R201.1 U1.2 U200.3 U200.4 U200.5 | length 38.6
  Top Layer w0.15: R201.1@18.7,41.3 18.74,41.26 v1(20.23,41.26) ; U200.3@21.5,44.5 22.412,44.5 22.5,44.588 22.5,45.315 C206.1@22.527,45.342
  Top Layer w0.2: U1.2@9.892,70.061 9.917,70.086 9.917,70.289 10.064,70.436 10.267,70.436 10.491,70.66 10.515,70.66 C5.1@11.05,71.195 11.05,71.805 11.242,71.997 v1(15.5,71.997) ; R6.2@64.828,54.029 v1(64.828,54.879)
  Top Layer w0.25: v1(15.282,13.25) 15.282,12.382 R7.2@15.842,11.822 ; v1(18.69,13.25) 18.69,12.382 R4.2@19.25,11.822 ; v1(23.358,80.406) R1.2@24.457,80.406
  Top Layer w0.4: v3(8.795,33.016) J10.2@10.437,33.016
  Top Layer w0.7: v1(24.199,75.406) F2.1@25.55,75.406
  Top Layer w0.75: J9.11@1.175,13.97 1.179,13.966 7.35,13.966 v2(7.354,13.962) ; J11.3@70.45,59.254 v2(70.45,63.052) ; J12.3@70.45,66.597 v2(70.45,70.394)
  Bottom Layer w0.15: v1(20.23,41.26) 21.879,39.611 v3(24.219,39.611)
  Bottom Layer w0.4: v1(69.467,53.34) pad.1@71.12,53.34
  other v3: 24.219,42.597 24.219,45.5
A0: J1.23 MOD1L.5 | length 34.9
  Top Layer w0.25: MOD1L.5@52.13,30.988 52.13,29.336 64.675,16.791 64.675,8.75 J1.23@64.675,1.27
A1: J1.22 MOD1L.6 | length 34.9
  Top Layer w0.25: MOD1L.6@49.59,30.988 49.59,29.336 62.135,16.791 62.135,8.75 J1.22@62.135,1.27
A2: J1.21 MOD1L.7 | length 34.9
  Top Layer w0.25: MOD1L.7@47.05,30.988 47.05,29.336 59.595,16.791 59.595,8.75 J1.21@59.595,1.27
A3: J1.20 MOD1L.8 | length 34.9
  Top Layer w0.25: MOD1L.8@44.51,30.988 44.51,29.336 57.055,16.791 J1.20@57.055,1.27
A4: J1.19 MOD1L.9 | length 34.9
  Top Layer w0.25: MOD1L.9@41.97,30.988 41.97,29.336 54.5,16.806 54.5,8.765 54.515,8.75 J1.19@54.515,1.27
A5: J1.18 MOD1L.10 | length 34.9
  Top Layer w0.25: MOD1L.10@39.43,30.988 39.43,29.336 50.86,17.906 50.86,4.163 51.975,3.048 J1.18@51.975,1.27
AREF: J1.24 MOD1L.3 | length 33.9
  Top Layer w0.25: MOD1L.3@57.21,30.988 57.21,29.29 67.215,19.285 J1.24@67.215,1.27
ATTN: J9.8 RR1.3 | length 40.1
  Top Layer w0.25: J9.8@1.175,21.59 1.475,21.59 5.755,25.87 13.62,25.87 22.061,34.311 30.311,34.311 v1(31.226,35.226) ; v1(31.203,37.875) 31.703,38.375 RR1.3@31.703,39.431
  Bottom Layer w0.25: v1(31.226,35.226) 31.25,35.25 v1@31.25,37.827
  Bottom Layer w0.3: v1(31.203,37.875) v1@31.25,37.827
ATTN_P: J6.54 RR2.14 | length 39
  Top Layer w0.25: RR2.14@31.703,43.833 31.703,51.322 49.798,69.418 J6.54@49.798,75.381
AUX1: J6.46 J9.1 | length 73.4
  Top Layer w0.25: J9.1@1.175,39.37 1.85,38.695 2.025,38.695 2.359,38.361 27.615,38.361 28.15,38.896 28.15,54.949 v1(45.638,72.438) ; v1(47.558,72.438) 47.798,72.678 J6.46@47.798,75.381
  Bottom Layer w0.25: v1(45.638,72.438) v1(47.558,72.438)
AUX2: J6.48 J9.2 | length 74.2
  Top Layer w0.25: J9.2@1.175,36.83 1.35,36.83 2.431,37.911 27.802,37.911 28.6,38.709 28.6,54.486 v1(45.648,71.535) ; v1(47.701,71.547) 48.298,72.144 J6.48@48.298,75.381
  Bottom Layer w0.25: v1(45.648,71.535) 45.661,71.547 v1(47.701,71.547)
AUX3: J6.50 J9.3 | length 75.9
  Top Layer w0.25: J9.3@1.175,34.29 1.85,34.965 2.025,34.965 4.521,37.461 27.988,37.461 29.05,38.523 29.05,54.133 v1(45.648,70.731) ; v1(47.814,70.731) 47.838,70.731 48.798,71.691 J6.50@48.798,75.381
  Bottom Layer w0.25: v1(45.648,70.731) v1(47.814,70.731)
AUX4: J6.52 J9.4 | length 77.6
  Top Layer w0.25: J9.4@1.175,31.75 1.475,31.75 1.475,31.875 6.611,37.011 28.174,37.011 29.5,38.336 29.5,53.783 v1(45.648,69.931) ; v1(47.792,69.937) 49.298,71.443 J6.52@49.298,75.381
  Bottom Layer w0.25: v1(45.648,69.931) 45.651,69.934 47.789,69.934 v1(47.792,69.937)
AUX5: J6.38 R6.1 U3.8 | length 51.7
  Top Layer w0.25: v1(45.648,73.384) 45.648,73.425 45.798,73.575 J6.38@45.798,75.381 ; v1(53.638,71.174) 53.666,71.147 67.074,71.147 69.25,68.971 69.25,56.791 65.588,53.129 R6.1@64.828,53.129 64.072,53.129 62.61,51.667 62.61,51.14 62.61,51.008 62.766,50.851 62.766,50.178 63.61,49.334 U3.8@63.61,48.774
  Bottom Layer w0.25: v1(45.648,73.384) 45.969,73.062 48.428,73.062 50.316,71.174 v1(53.638,71.174)
AUX_EN: J9.7 RR1.4 | length 39.4
  Top Layer w0.25: J9.7@1.175,24.13 1.475,24.13 3.615,26.27 13.384,26.27 13.9,26.787 21.874,34.761 29.106,34.761 30.23,35.885 v1(32.153,35.885) ; v1(32.153,37.875) 32.153,37.915 32.203,37.965 RR1.4@32.203,39.431
  Bottom Layer w0.25: v1(32.153,35.885) 32.135,35.902 32.135,37.857 v1(32.153,37.875)
AUX_EN_P: J6.56 RR2.13 | length 39
  Top Layer w0.25: RR2.13@32.203,43.833 32.203,51.092 50.298,69.188 J6.56@50.298,75.381
AUX_RX: J9.5 RR1.5 | length 38
  Top Layer w0.25: J9.5@1.175,29.21 1.184,29.201 7.876,29.201 9.39,27.687 10.805,27.687 13.528,27.687 21.502,35.661 28.734,35.661 29.933,36.86 31.88,36.86 32.703,37.682 RR1.5@32.703,39.431
AUX_RX_P: J6.58 RR2.12 | length 39
  Top Layer w0.25: RR2.12@32.703,43.833 32.703,50.956 50.798,69.051 J6.58@50.798,75.381
AUX_TX: J9.6 RR1.6 | length 38.4
  Top Layer w0.25: J9.6@1.175,26.67 13.147,26.67 21.688,35.211 28.92,35.211 30.119,36.41 32.067,36.41 33.203,37.546 RR1.6@33.203,39.431
AUX_TX_P: J6.60 RR2.11 | length 39
  Top Layer w0.25: RR2.11@33.203,43.833 33.203,50.819 51.298,68.915 J6.60@51.298,75.381
B0: C9.1 J1.12 MOD1L.16 R7.1 SW1.1 SW1.2 | length 74.2
  Top Layer w0.25: v1(12.611,3.048) 12.611,6.934 13.31,7.633 SW1.2@13.31,9.31 ; SW1.2@13.28,8.818 14.943,8.818 15.842,9.717 R7.1@15.842,10.922 C9.1@16.862,10.922 ; SW1.2@13.28,9.356 SW1.1@13.28,13.476 ; v1(17.695,3.048) 18.81,4.163 35.62,4.163 ; MOD1L.16@24.19,30.988 24.19,29.336 35.62,17.906 35.62,4.163 ; J1.12@36.735,1.27 36.735,3.048 35.62,4.163
  Bottom Layer w0.25: v1(12.611,3.048) v1(17.695,3.048)
BATPOS: J4.1 pad.1@66.04,53.34 S1.3 S1.7 | length 15.5
  Top Layer w0.75: S1.7@10.992,24.09 12.192,24.09 ; S1.3@13.392,24.09 12.192,24.09 ; v2(15.75,24.09) 12.192,24.09
  Top Layer w1.2: v3(65.15,51.95) 65.125,51.925 v3(65.125,50.35) 65.964,51.189 J4.1@70.8,51.189
  Bottom Layer w0.4: v3(65.15,51.95) 65.375,51.95 66.04,52.615 pad.1@66.04,53.34
D5: J1.5 MOD1R.10 | length 14.3
  Bottom Layer w0.25: J1.5@18.955,1.27 18.955,1.47 23.755,6.27 24.872,6.27 MOD1R.10@29.27,10.668
D6: J1.6 MOD1R.9 | length 14.3
  Bottom Layer w0.25: J1.6@21.495,1.27 21.495,1.47 26.295,6.27 27.412,6.27 MOD1R.9@31.81,10.668
D9: J1.7 MOD1R.8 | length 14.3
  Bottom Layer w0.25: J1.7@24.035,1.27 24.035,1.47 28.835,6.27 29.952,6.27 MOD1R.8@34.35,10.668
D10: J1.8 MOD1R.7 | length 14.3
  Bottom Layer w0.25: J1.8@26.575,1.27 26.575,1.47 31.375,6.27 32.492,6.27 MOD1R.7@36.89,10.668
D11: J1.9 MOD1R.6 | length 14.3
  Bottom Layer w0.25: J1.9@29.115,1.27 29.115,1.47 33.915,6.27 35.032,6.27 MOD1R.6@39.43,10.668
D12: J1.10 MOD1R.5 | length 14.3
  Bottom Layer w0.25: J1.10@31.655,1.27 31.655,1.47 36.455,6.27 37.572,6.27 MOD1R.5@41.97,10.668
D13: J1.11 MOD1R.4 | length 14.3
  Bottom Layer w0.25: J1.11@34.195,1.27 34.195,1.47 38.995,6.27 40.112,6.27 MOD1R.4@44.51,10.668
D_N: J2.2 J6.9 | length 61
  Top Layer w0.26: J2.2@4.825,50.65 4.895,50.58 5.672,50.58 5.697,50.555 9.443,50.555 11.04,52.152 11.04,60.687 20.353,70 29.099,70 30.584,71.484 30.584,81.157 34.866,85.439 37.91,85.439 38.528,84.82 38.528,82.951 J6.9@38.548,82.931
D_P: J2.3 J6.7 | length 60.2
  Top Layer w0.26: J2.3@4.825,50 4.895,50.07 5.672,50.07 5.697,50.095 9.634,50.095 11.5,51.961 11.5,60.496 20.544,69.54 29.29,69.54 31.044,71.294 31.044,80.967 35.056,84.979 37.719,84.979 38.068,84.63 38.068,82.951 J6.7@38.048,82.931